# KiCad board TRX055.01.01.PB.00.00.kicad_pcb (continued)
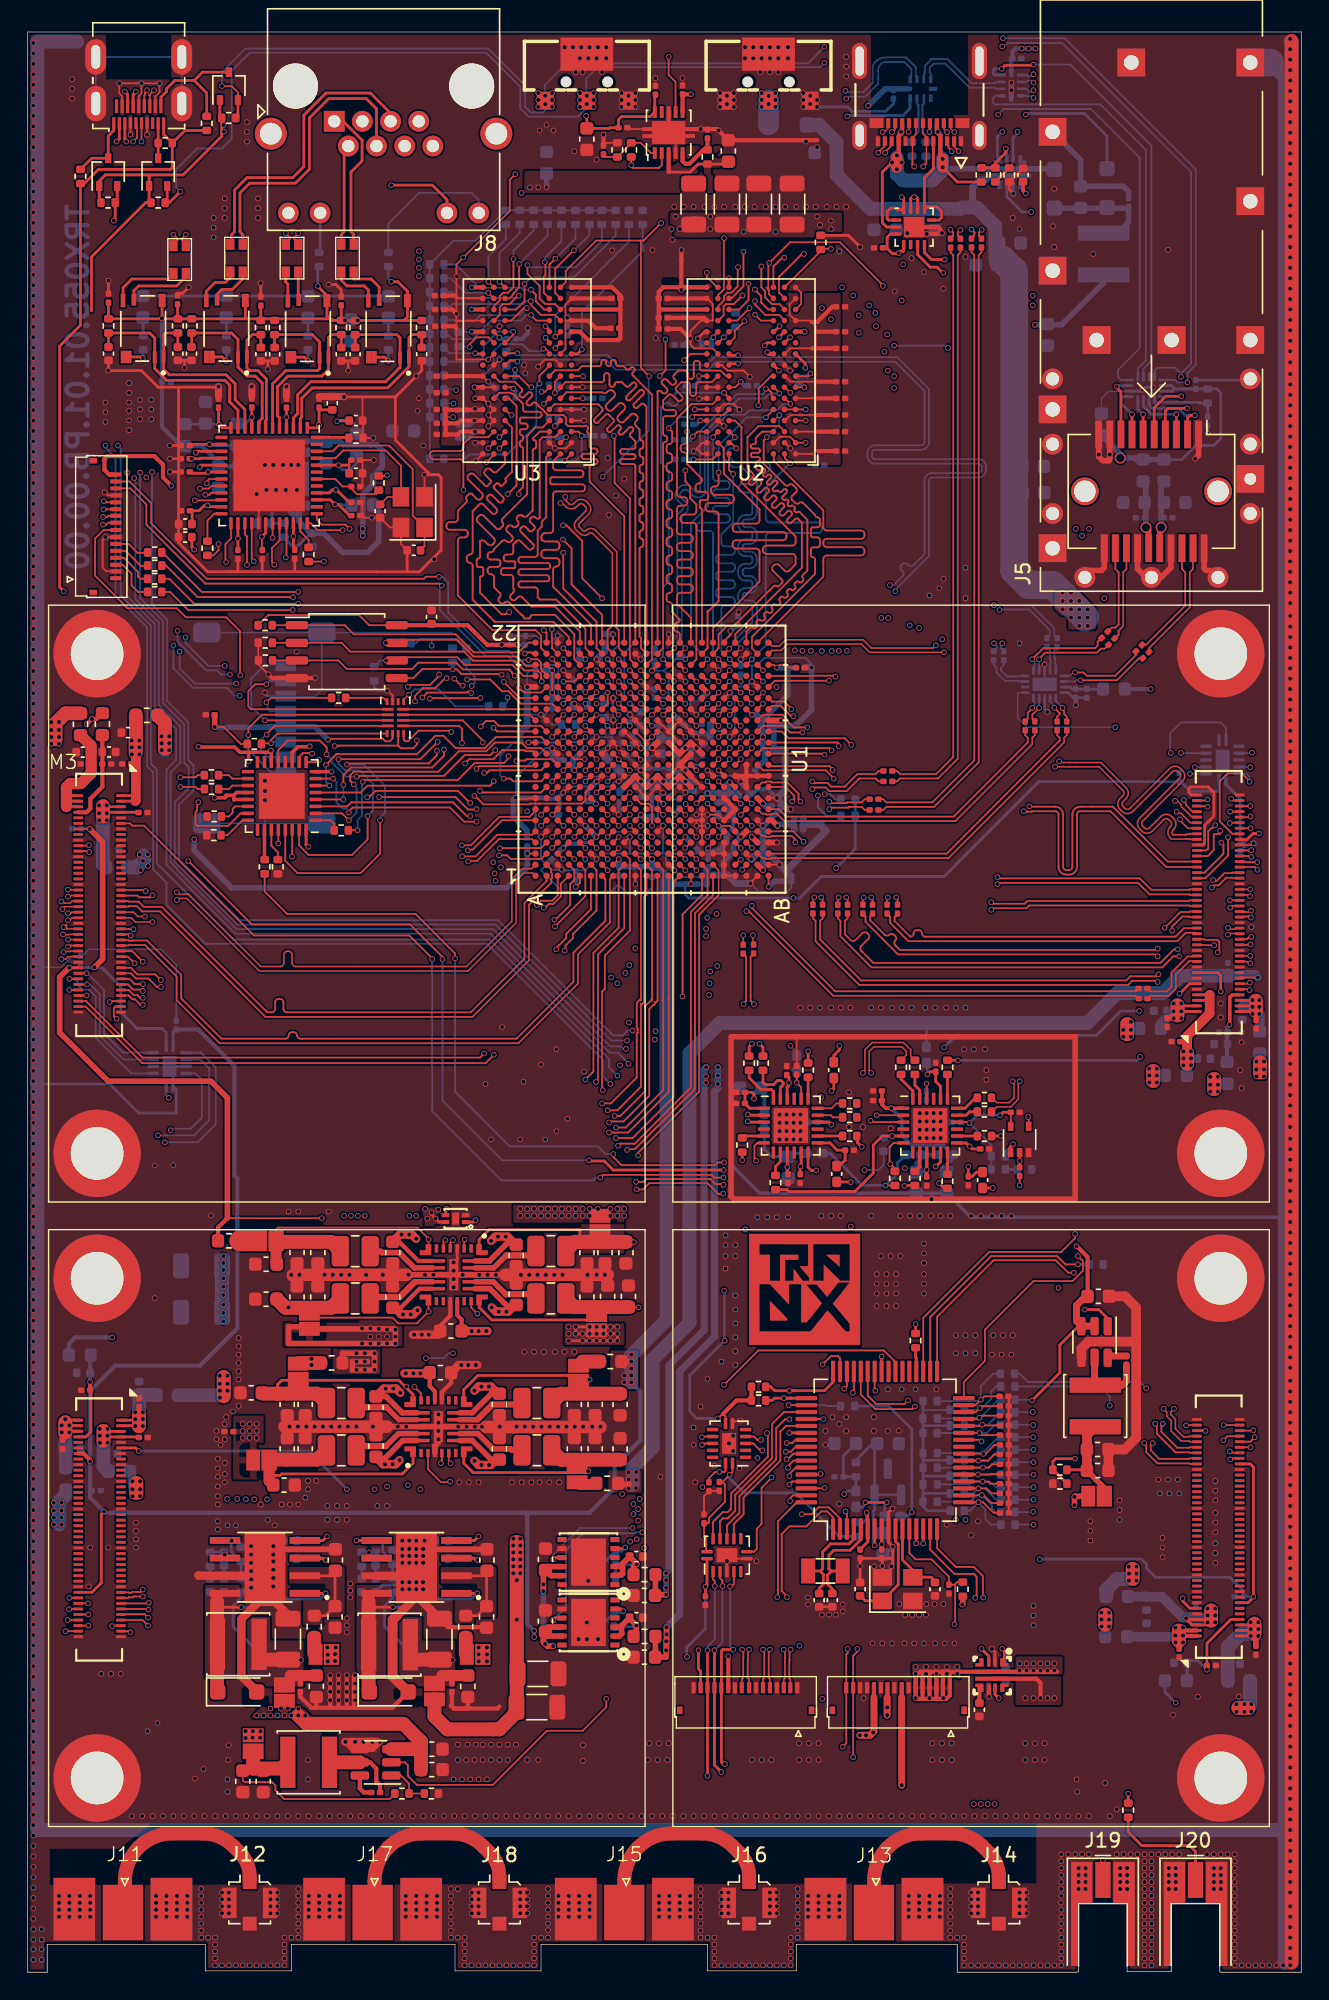
[diagram p0: board, top side]
## Routing (per net, layer and track width the routed paths; a pad name or vN(x,y) marks a point on that pad's centre or on a via; arc(x,y) is an arc through that point) (continued)
/A1_HS_6_N: length 54.7
  Top w0.127: v1(86.68,76.7) 86.8,76.83 M1.40 ; U1.W12 v1(51.4,88.2)
  In2.Cu w0.106: 51.54,88.2 v1(51.4,88.2) 51.4,88.06 51.53,87.93 51.54,87.93 52.43,87.03 58.25,87.03 59.9,85.39 59.9,83.89 60.77,83.01 arc(61.04,82.9) 61.31,83.01 arc(61.36,83.03) 61.41,83.01 61.8,82.63 arc(61.82,82.58) 61.8,82.53 arc(61.68,82.26) 61.8,81.98 62.18,81.6 arc(62.45,81.49) 62.72,81.6 arc(62.77,81.62) 62.82,81.6 63.21,81.21 arc(63.23,81.16) 63.21,81.11 arc(63.1,80.84) 63.21,80.57 63.6,80.19 arc(63.87,80.07) 64.14,80.19 arc(64.19,80.21) 64.24,80.19 64.62,79.8 arc(64.65,79.75) 64.62,79.7 arc(64.51,79.43) 64.62,79.16 65.01,78.77 arc(65.28,78.66) 65.55,78.77 arc(65.6,78.79) 65.65,78.77 66.04,78.39 arc(66.06,78.33) 66.04,78.28 65.61,77.86 arc(65.46,77.48) 65.61,77.1 65.78,76.93 arc(66.16,76.77) 66.54,76.93 66.96,77.36 arc(67.02,77.38) 67.07,77.36 67.45,76.97 arc(67.47,76.92) 67.45,76.87 arc(67.34,76.6) 67.45,76.33 68.13,75.65 73.1,75.65 arc(73.27,75.58) 73.35,75.4 73.35,74.5 arc(73.51,74.11) 73.9,73.95 74.1,73.95 arc(74.48,74.11) 74.65,74.5 74.65,75.4 arc(74.72,75.58) 74.9,75.65 75.1,75.65 arc(75.38,75.77) 75.5,76.05 arc(75.53,76.12) 75.6,76.15 76.1,76.15 arc(76.17,76.12) 76.2,76.05 76.2,74.1 arc(76.36,73.71) 76.75,73.55 76.95,73.55 arc(77.33,73.71) 77.5,74.1 77.5,75.4 arc(77.57,75.58) 77.75,75.65 80.48,75.65 80.48,75.66 81.29,76.47 ; v1(86.68,76.7) 86.56,76.82 86.27,76.82 85.92,76.47 81.29,76.47 ; 81.29,76.47 81.11,76.29
/A1_HS_6_P: length 55.1
  Top w0.106: M1.42 87.35,77.23 v1(86.66,77.23)
  Top w0.127: U1.W13 v1(51.4,89)
  In2.Cu w0.106: 81.16,76.78 80.33,75.95 77.75,75.95 arc(77.36,75.79) 77.2,75.4 77.2,74.1 arc(77.12,73.92) 76.95,73.85 76.75,73.85 arc(76.57,73.92) 76.5,74.1 76.5,76.05 arc(76.38,76.33) 76.1,76.45 75.6,76.45 arc(75.31,76.33) 75.2,76.05 arc(75.17,75.98) 75.1,75.95 74.9,75.95 arc(74.51,75.79) 74.35,75.4 74.35,74.5 arc(74.27,74.32) 74.1,74.25 73.9,74.25 arc(73.72,74.32) 73.65,74.5 73.65,75.4 arc(73.48,75.79) 73.1,75.95 68.27,75.95 67.67,76.55 arc(67.65,76.6) 67.67,76.65 arc(67.78,76.92) 67.67,77.19 67.29,77.58 arc(67.02,77.69) 66.75,77.58 66.32,77.15 arc(66.16,77.08) 66,77.15 65.83,77.32 arc(65.76,77.48) 65.83,77.64 66.26,78.06 arc(66.37,78.33) 66.26,78.6 65.87,78.99 arc(65.6,79.1) 65.33,78.99 arc(65.28,78.97) 65.23,78.99 64.84,79.38 arc(64.82,79.43) 64.84,79.48 arc(64.96,79.75) 64.84,80.02 64.46,80.4 arc(64.19,80.52) 63.92,80.4 arc(63.87,80.38) 63.81,80.4 63.43,80.79 arc(63.41,80.84) 63.43,80.89 arc(63.54,81.16) 63.43,81.43 63.04,81.82 arc(62.77,81.93) 62.5,81.82 arc(62.45,81.8) 62.4,81.82 62.02,82.2 arc(61.99,82.26) 62.02,82.31 arc(62.13,82.58) 62.02,82.85 61.63,83.23 arc(61.36,83.34) 61.09,83.23 arc(61.04,83.21) 60.99,83.23 60.2,84.01 60.2,85.51 58.38,87.34 52.56,87.34 52.08,87.82 52.04,87.82 51.82,88.04 51.82,88.36 51.85,88.39 51.85,88.55 v1(51.4,89) ; 81.16,76.78 85.79,76.78 86.14,77.13 86.56,77.13 v1(86.66,77.23) ; 81.16,76.78 80.89,76.51
/A1_HS_7_N: length 36.4
  Top w0.124: M1.39 83.75,76.83 83.72,76.86 72.19,76.86 71.99,76.66 69.56,76.66 v1(69.45,76.55)
  Top w0.127: v1(57.44,87.72) 57.37,87.8 U1.AB12
  In2.Cu w0.106: v1(57.44,87.72) 57.48,87.68 57.76,87.68 57.79,87.66 58.1,87.66 58.13,87.68 58.64,87.68 60.8,85.53 60.8,84.39 68.51,76.67 69.33,76.67 v1(69.45,76.55)
/A1_HS_7_P: length 37.4
  Top w0.124: v1(69.45,77.1) 69.56,76.99 71.86,76.99 72.06,77.19 83.72,77.19 83.75,77.22 M1.41
  Top w0.127: U1.AA12 53,88.2 57.78,88.2 v1(57.95,88.04)
  In2.Cu w0.106: v1(69.45,77.1) 69.33,76.98 68.64,76.98 61.1,84.51 61.1,85.66 58.77,87.99 58.65,87.99 58.62,87.96 58.31,87.96 58.28,87.99 58.18,87.99 58.14,88.04 v1(57.95,88.04)
/A1_HS_8_N: length 56
  Top w0.124: M1.44 88.02,77.62 v1(88.12,77.53)
  Top w0.127: v1(58.46,88.35) 58.46,88.51 58.37,88.6 53.4,88.6 U1.AB13
  In2.Cu w0.106: 88.06,77.53 v1(88.12,77.53) 88.03,77.62 86.07,77.62 85.8,77.35 80.26,77.35 79.46,76.55 78.88,76.55 arc(78.48,76.71) 78.32,77.1 78.32,78.35 arc(78.25,78.53) 78.08,78.6 77.88,78.6 arc(77.7,78.53) 77.63,78.35 77.63,77.1 arc(77.47,76.71) 77.08,76.55 76.88,76.55 arc(76.48,76.71) 76.32,77.1 76.32,78.35 arc(76.25,78.53) 76.08,78.6 75.88,78.6 arc(75.7,78.53) 75.63,78.35 75.63,77.1 arc(75.47,76.71) 75.08,76.55 71.19,76.55 70.09,77.65 69.16,77.65 68.05,78.76 arc(67.95,78.8) 67.84,78.76 arc(67.52,78.62) 67.2,78.76 66.92,79.04 arc(66.78,79.36) 66.92,79.68 67.36,80.13 arc(67.41,80.25) 67.36,80.37 67.12,80.62 arc(67,80.67) 66.87,80.62 66.43,80.17 arc(66.11,80.04) 65.78,80.17 65.5,80.45 arc(65.37,80.77) 65.5,81.1 65.95,81.54 arc(66,81.67) 65.95,81.79 65.7,82.03 arc(65.58,82.08) 65.46,82.03 65.01,81.59 arc(64.69,81.45) 64.37,81.59 64.09,81.87 arc(63.95,82.19) 64.09,82.51 64.53,82.96 arc(64.58,83.08) 64.53,83.2 64.29,83.45 arc(64.17,83.5) 64.05,83.45 63.6,83 arc(63.28,82.87) 62.95,83 62.67,83.28 arc(62.54,83.6) 62.67,83.93 63.12,84.37 arc(63.17,84.49) 63.12,84.62 62.88,84.86 arc(62.75,84.91) 62.63,84.86 arc(62.29,84.72) 61.95,84.86 61.59,85.22 61.59,85.82 59.36,88.05 59.2,88.05 59.02,88.23 58.58,88.23 v1(58.46,88.35) 58.48,88.37
/A1_HS_8_P: length 56.1
  Top w0.106: v1(88.13,78.03) 88.12,78.03 M1.46 87.36,78.03
  Top w0.127: v1(59.36,88.43) 58.88,88.91 54.84,88.91 54.35,89.4 U1.AB14
  In2.Cu w0.106: 59.36,88.35 v1(59.36,88.43) 59.42,88.43 61.9,85.95 61.9,85.35 62.17,85.08 arc(62.29,85.03) 62.41,85.08 arc(62.75,85.22) 63.09,85.08 63.34,84.83 arc(63.48,84.49) 63.34,84.15 62.89,83.71 arc(62.85,83.6) 62.89,83.5 63.17,83.22 arc(63.28,83.18) 63.38,83.22 63.83,83.66 arc(64.17,83.81) 64.51,83.66 64.75,83.42 arc(64.89,83.08) 64.75,82.74 64.31,82.29 arc(64.26,82.19) 64.31,82.08 64.59,81.81 arc(64.69,81.76) 64.8,81.81 65.24,82.25 arc(65.58,82.39) 65.92,82.25 66.17,82.01 arc(66.31,81.67) 66.17,81.32 65.72,80.88 arc(65.68,80.77) 65.72,80.67 66,80.39 arc(66.11,80.35) 66.21,80.39 66.66,80.84 arc(67,80.98) 67.34,80.84 67.58,80.59 arc(67.72,80.25) 67.58,79.91 67.14,79.46 arc(67.09,79.36) 67.14,79.26 67.42,78.98 arc(67.52,78.93) 67.62,78.98 arc(67.95,79.11) 68.27,78.98 69.29,77.95 70.21,77.95 71.31,76.85 75.08,76.85 arc(75.25,76.93) 75.32,77.1 75.32,78.35 arc(75.48,78.75) 75.88,78.91 76.08,78.91 arc(76.47,78.75) 76.63,78.35 76.63,77.1 arc(76.7,76.93) 76.88,76.85 77.08,76.85 arc(77.25,76.93) 77.32,77.1 77.32,78.35 arc(77.48,78.75) 77.88,78.91 78.08,78.91 arc(78.47,78.75) 78.63,78.35 78.63,77.1 arc(78.7,76.93) 78.88,76.85 79.34,76.85 80.14,77.65 85.67,77.65 85.94,77.93 88.03,77.93 v1(88.13,78.03)
/A1_HS_9_N: length 37.8
  Top w0.124: M1.43 83.75,77.62 83.72,77.66 80.86,77.66 80.03,78.49 69.99,78.49 v1(69.9,78.4)
  Top w0.127: U1.Y12 v1(52.2,88.2)
  In2.Cu w0.106: v1(52.2,88.2) 52.4,88.2 52.53,88.07 56.96,88.07 57.68,88.79 59.69,88.79 68.15,80.34 68.15,80.15 v1(69.9,78.4)
/A1_HS_9_P: length 37.8
  Top w0.124: 69.99,78.82 80.17,78.82 80.99,77.99 83.72,77.99 83.75,78.03 M1.45
  Top w0.127: U1.Y13 v1(52.2,89)
  In2.Cu w0.106: 69.83,78.9 68.45,80.28 68.45,80.47 59.82,89.1 57.55,89.1 56.83,88.38 52.77,88.38 52.2,88.95 v1(52.2,89)
  vias: v1(69.9,78.9)
/A1_HS_10_N: length 52.7
  Top w0.124: M1.50 86.83,78.83 86.8,78.86 86.39,78.86 85.84,78.31 85.51,78.31 v1(85.35,78.15)
  Top w0.127: U1.V15 v1(50.6,89.8)
  In2.Cu w0.106: v1(50.6,89.8) 51.05,89.35 51.25,89.35 51.28,89.38 53.17,89.38 ; v1(85.35,78.15) 84.28,78.15 83.69,78.74 80.77,78.74 80.34,79.17 76.1,79.17 arc(75.73,79.32) 75.57,79.7 arc(75.51,79.85) 75.35,79.92 75.1,79.92 arc(74.95,79.85) 74.88,79.7 74.88,77.67 arc(74.72,77.27) 74.33,77.11 74.13,77.11 arc(73.73,77.27) 73.57,77.67 73.57,79.7 arc(73.51,79.85) 73.35,79.92 73.1,79.92 arc(72.95,79.85) 72.88,79.7 72.88,77.67 arc(72.72,77.27) 72.33,77.11 72.13,77.11 arc(71.73,77.27) 71.57,77.67 71.57,78.92 arc(71.5,79.09) 71.33,79.17 70.27,79.17 60.09,89.34 57.31,89.34 56.59,88.62 53.93,88.62 53.17,89.38 ; 53.17,89.38 53.2,89.35
/A1_HS_10_P: length 51.8
  Top w0.124: v1(85.45,78.7) 85.51,78.64 85.71,78.64 86.26,79.19 86.8,79.19 86.83,79.22 M1.52
  Top w0.127: U1.W15 v1(51.4,89.8)
  In2.Cu w0.106: v1(85.45,78.7) 85.28,78.53 85.19,78.53 85.12,78.46 84.41,78.46 83.82,79.05 80.9,79.05 80.47,79.47 76.1,79.47 arc(75.95,79.54) 75.88,79.7 arc(75.72,80.07) 75.35,80.23 75.1,80.23 arc(74.73,80.07) 74.57,79.7 74.57,77.67 arc(74.5,77.49) 74.33,77.42 74.13,77.42 arc(73.95,77.49) 73.88,77.67 73.88,79.7 arc(73.72,80.07) 73.35,80.23 73.1,80.23 arc(72.73,80.07) 72.57,79.7 72.57,77.67 arc(72.5,77.49) 72.33,77.42 72.13,77.42 arc(71.95,77.49) 71.88,77.67 71.88,78.92 arc(71.72,79.31) 71.33,79.47 70.4,79.47 60.22,89.65 57.18,89.65 56.47,88.93 55.3,88.93 ; 53.31,89.69 54.07,88.93 55.3,88.93 ; 53.31,89.69 53.34,89.66 ; 53.31,89.69 51.51,89.69 v1(51.4,89.8)
/A1_HS_11_N: length 48.7
  Top w0.127: M1.49 84.89,78.83 86.52,80.45 v1(86.52,81.78) ; U1.AA17 v1(53,92.2)
  In2.Cu w0.106: v1(86.52,81.78) 86.51,81.77 85.74,81.77 85.58,81.6 83.56,81.6 83.53,81.64 82.46,81.64 78.49,85.6 74.07,85.6 arc(73.89,85.67) 73.82,85.85 73.82,86.25 arc(73.66,86.64) 73.27,86.8 73.07,86.8 arc(72.67,86.64) 72.51,86.25 72.51,84.94 arc(72.44,84.77) 72.27,84.7 72.07,84.7 arc(71.89,84.77) 71.82,84.94 71.82,86.25 arc(71.66,86.64) 71.27,86.8 71.07,86.8 arc(70.67,86.64) 70.51,86.25 70.51,85.85 arc(70.44,85.67) 70.27,85.6 69.45,85.6 62.35,92.7 57.94,92.7 57.91,92.67 57.59,92.67 57.56,92.7 54.73,92.7 54.01,91.98 53.22,91.98 v1(53,92.2)
/A1_HS_11_P: length 47.2
  Top w0.127: M1.51 84.82,79.22 86.19,80.59 86.19,81.24 v1(86.05,81.39) ; U1.AA16 v1(53,91.4)
  In2.Cu w0.106: v1(86.05,81.39) 85.96,81.3 83.44,81.3 83.41,81.33 82.33,81.33 78.37,85.29 74.07,85.29 arc(73.67,85.45) 73.51,85.85 73.51,86.25 arc(73.44,86.42) 73.27,86.5 73.07,86.5 arc(72.89,86.42) 72.82,86.25 72.82,84.94 arc(72.66,84.55) 72.27,84.39 72.07,84.39 arc(71.67,84.55) 71.51,84.94 71.51,86.25 arc(71.44,86.42) 71.27,86.5 71.07,86.5 arc(70.89,86.42) 70.82,86.25 70.82,85.85 arc(70.66,85.45) 70.27,85.29 69.32,85.29 62.22,92.39 54.86,92.39 54.14,91.67 53.27,91.67 v1(53,91.4)
/A1_HS_12_N: length 48.2
  Top w0.127: M1.54 88.45,79.62 v1(88.64,79.44) ; U1.V16 v1(49.8,90.6)
  In2.Cu w0.106: v1(49.8,90.6) 50.2,90.2 51.5,90.2 51.52,90.18 51.56,90.18 51.78,89.96 51.78,89.93 53.4,89.93 53.43,89.9 53.5,89.9 53.97,89.43 55.18,89.43 56.29,90.54 60.79,90.54 69.79,81.54 71.02,81.54 arc(71.11,81.5) 71.15,81.42 arc(71.27,81.11) 71.58,80.99 72.02,80.99 arc(72.33,81.11) 72.46,81.42 72.46,82.1 arc(72.53,82.27) 72.7,82.35 72.9,82.35 arc(73.07,82.27) 73.15,82.1 73.15,82.1 arc(73.31,81.7) 73.7,81.54 80.06,81.54 81.52,80.08 86.43,80.08 86.95,79.56 88.52,79.56 v1(88.64,79.44)
/A1_HS_12_P: length 47.2
  Top w0.127: v1(88.63,79.98) 87.4,79.98 M1.56 ; U1.W16 v1(50.6,90.6)
  In2.Cu w0.106: v1(88.63,79.98) 88.52,79.87 87.08,79.87 86.56,80.39 81.65,80.39 80.19,81.85 73.7,81.85 arc(73.53,81.92) 73.46,82.1 73.46,82.1 arc(73.29,82.49) 72.9,82.65 72.7,82.65 arc(72.31,82.49) 72.15,82.1 72.15,81.42 arc(72.11,81.33) 72.02,81.3 71.58,81.3 arc(71.49,81.33) 71.46,81.42 arc(71.33,81.72) 71.02,81.85 69.92,81.85 60.92,90.85 56.16,90.85 55.06,89.75 54.15,89.75 53.66,90.24 52.38,90.24 52.36,90.22 52.04,90.22 52.02,90.24 51.92,90.24 51.56,90.6 v1(50.6,90.6)
/A1_HS_13_N: length 47.8
  Top w0.127: M1.53 82.07,79.62 78.05,83.65 75.87,83.65 arc(75.7,83.58) 75.63,83.42 75.63,79.65 arc(75.47,79.25) 75.07,79.08 74.87,79.08 arc(74.47,79.25) 74.3,79.65 74.3,83.42 arc(74.23,83.58) 74.07,83.65 72.4,83.65 72.36,83.61 72.04,83.61 72,83.65 v1(71.8,83.65) ; U1.W17 v1(51.4,91.4)
  In2.Cu w0.106: v1(51.4,91.4) 51.59,91.4 52.03,90.96 52.04,90.98 52.36,90.98 52.38,90.95 52.5,90.95 52.8,90.65 53.95,90.65 55.09,91.79 61.67,91.79 69.77,83.69 71.76,83.69 v1(71.8,83.65)
/A1_HS_13_P: length 46.8
  Top w0.127: M1.55 82.18,80.03 78.22,83.98 75.87,83.98 arc(75.47,83.81) 75.3,83.42 75.3,79.65 arc(75.23,79.48) 75.07,79.42 74.87,79.42 arc(74.7,79.48) 74.63,79.65 74.63,83.42 arc(74.47,83.81) 74.07,83.98 72.22,83.98 v1(72.2,84) ; U1.Y17 v1(52.2,91.4)
  In2.Cu w0.106: v1(72.2,84) 71.99,84 71.96,84.03 71.64,84.03 71.61,84 69.9,84 61.8,92.1 54.96,92.1 53.86,91 52.9,91 52.88,91.02 52.84,91.02 52.62,91.24 52.62,91.28 52.5,91.4 v1(52.2,91.4)
/A1_HS_14_N: length 48.5
  Top w0.127: M1.58 88.12,80.42 v1(88.2,80.35) ; v1(55.2,90.5) 55.02,90.5 54.27,91.25 53.65,91.25 U1.AB16
  In2.Cu w0.106: v1(55.2,90.5) 55.84,91.14 61.15,91.14 69.39,82.9 72.98,82.9 arc(73.37,83.06) 73.53,83.45 73.53,84.51 arc(73.6,84.68) 73.78,84.75 73.98,84.75 arc(74.15,84.68) 74.22,84.51 74.22,82.65 arc(74.38,82.26) 74.78,82.1 74.98,82.1 arc(75.37,82.26) 75.53,82.65 75.53,84.51 arc(75.6,84.68) 75.78,84.75 75.98,84.75 arc(76.15,84.68) 76.22,84.51 76.22,83.45 arc(76.38,83.06) 76.78,82.9 79.63,82.9 81.84,80.7 86.64,80.7 86.89,80.45 88.1,80.45 v1(88.2,80.35)
/A1_HS_14_P: length 48.3
  Top w0.127: M1.60 88.18,80.83 v1(88.2,80.85) ; U1.AB17 53.65,91.55 54.55,91.55 55.04,91.06 v1(55.04,91)
  In2.Cu w0.106: v1(55.04,91) 55.26,91 55.71,91.45 61.28,91.45 69.52,83.21 72.98,83.21 arc(73.15,83.28) 73.22,83.45 73.22,84.51 arc(73.38,84.9) 73.78,85.06 73.98,85.06 arc(74.37,84.9) 74.53,84.51 74.53,82.65 arc(74.6,82.48) 74.78,82.4 74.98,82.4 arc(75.15,82.48) 75.22,82.65 75.22,84.51 arc(75.38,84.9) 75.78,85.06 75.98,85.06 arc(76.37,84.9) 76.53,84.51 76.53,83.45 arc(76.6,83.28) 76.78,83.21 79.76,83.21 81.96,81 86.76,81 87.01,80.75 88.1,80.75 v1(88.2,80.85)
/A1_HS_15_N: length 44
  Top w0.106: v1(66.05,95.1) 60.68,95.1 60.09,95.7 54.76,95.7 54.31,95.24 53.95,95.24
  Top w0.124: U1.AB21 53.64,95.24 53.95,95.24
  Top w0.127: v1(85.95,82.25) 86.05,82.15 86.05,82.15 85.9,82 85.55,82 85.49,81.94 85.49,80.85 85.06,80.42 M1.57
  In2.Cu w0.106: v1(66.05,95.1) 66.12,95.17 68.24,95.17 71.67,91.75 77.12,91.75 83.78,85.08 83.78,82.59 84.37,82 85.9,82 86.05,82.15 86.05,82.15 v1(85.95,82.25) 86.05,82.25 86.07,82.22 86.07,82.2 85.9,82.03
/A1_HS_15_P: length 43
  Top w0.106: 53.95,95.56 54.19,95.56 54.64,96 60.21,96 60.81,95.41 65.26,95.41 v1(65.45,95.6)
  Top w0.124: U1.AB22 53.64,95.56 53.95,95.56
  Top w0.127: M1.59 84.94,80.83 85.07,80.95 85.09,80.95 85.09,82.22 85.33,82.45 85.41,82.45 v1(85.6,82.65)
  In2.Cu w0.106: v1(65.45,95.6) 65.57,95.48 68.37,95.48 71.8,92.05 77.25,92.05 84.09,85.21 84.09,82.76 84.53,82.31 85.47,82.31 85.6,82.44 v1(85.6,82.65) 85.6,82.48 85.6,82.47
/A1_HS_16_N: length 47.5
  Top w0.106: v1(74.35,87.25) 74.44,87.16 77.36,87.16 79.17,85.35 arc(79.33,84.96) 79.17,84.56 78.95,84.35 arc(78.88,84.18) 78.95,84 79.1,83.86 arc(79.27,83.79) 79.44,83.86 82.31,86.73 arc(82.71,86.89) 83.1,86.73 83.24,86.59 arc(83.4,86.2) 83.24,85.81 80.37,82.93 arc(80.3,82.76) 80.37,82.59 80.51,82.45 arc(80.68,82.37) 80.86,82.45 81.68,83.27 arc(82.07,83.43) 82.46,83.27 82.6,83.12 arc(82.77,82.73) 82.6,82.34 82.56,82.3 arc(82.49,82.13) 82.56,81.95 83.5,81.95
  Top w0.124: 83.5,81.95 83.53,81.99 83.72,81.99 83.75,82.03 M1.65
  Top w0.127: U1.AB19 56.6,93.4 56.62,93.42 58.15,93.42 v1(58.22,93.35)
  In2.Cu w0.106: 58.3,93.4 62.95,93.4 69,87.35 74.17,87.35 74.27,87.25 v1(74.35,87.25)
/A1_HS_16_P: length 47.9
  Top w0.106: 83.5,81.65 82.44,81.65 82.35,81.74 arc(82.18,82.13) 82.35,82.52 82.38,82.56 arc(82.46,82.73) 82.38,82.91 82.24,83.05 arc(82.07,83.12) 81.9,83.05 81.08,82.23 arc(80.68,82.06) 80.29,82.23 80.15,82.37 arc(79.99,82.76) 80.15,83.15 83.02,86.02 arc(83.09,86.2) 83.02,86.37 82.88,86.51 arc(82.71,86.58) 82.53,86.51 79.66,83.64 arc(79.27,83.48) 78.88,83.64 78.74,83.78 arc(78.57,84.18) 78.74,84.57 78.95,84.78 arc(79.02,84.96) 78.95,85.13 77.24,86.84 77.19,86.84 77.18,86.85 v1(74.05,86.85)
  Top w0.124: M1.63 83.75,81.62 83.72,81.66 83.65,81.66 83.63,81.65 83.5,81.65
  Top w0.127: v1(57.75,93.05) 57.75,93.05 53.85,93.05 U1.AB18
  In2.Cu w0.106: v1(74.05,86.85) 74.05,87.03 74.04,87.04 68.87,87.04 62.82,93.1 58.6,93.1 58.5,93 58.41,93 58.38,92.97 58.06,92.97 58.03,93 58,93 57.95,93.05 v1(57.75,93.05)
/A1_HS_17_N: length 48.6
  Top w0.106: M1.69 83.8,82.83 83.1,83.52 82.91,83.52 v1(82.82,83.61)
  Top w0.127: U1.AA20 v1(53,93.8)
  In2.Cu w0.106: v1(53,93.8) 53.19,93.61 56.57,93.61 56.61,93.65 56.65,93.65 56.85,93.85 56.85,93.89 57.01,94.05 63.87,94.05 64.15,93.77 arc(64.27,93.47) 64.15,93.16 arc(64.11,93.07) 64.15,92.99 64.46,92.67 arc(64.55,92.64) 64.64,92.67 65.54,93.58 arc(65.94,93.74) 66.33,93.58 66.47,93.44 arc(66.63,93.04) 66.47,92.65 65.56,91.75 arc(65.53,91.66) 65.56,91.57 65.88,91.26 arc(65.96,91.22) 66.05,91.26 66.96,92.16 arc(67.35,92.33) 67.74,92.16 67.88,92.02 arc(68.05,91.63) 67.88,91.24 66.98,90.33 arc(66.94,90.24) 66.98,90.16 67.29,89.84 arc(67.38,89.81) 67.46,89.84 arc(67.77,89.97) 68.08,89.84 69.21,88.7 arc(69.61,88.54) 69.77,88.15 69.77,88.15 arc(69.84,87.97) 70.01,87.9 70.21,87.9 arc(70.39,87.97) 70.46,88.15 70.46,89.5 arc(70.62,89.9) 71.01,90.06 71.21,90.06 arc(71.61,89.9) 71.77,89.5 71.77,88.15 arc(71.84,87.97) 72.01,87.9 72.21,87.9 arc(72.39,87.97) 72.46,88.15 72.46,88.15 arc(72.62,88.54) 73.01,88.7 77.2,88.7 82.29,83.61 v1(82.82,83.61)
/A1_HS_17_P: length 48.8
  Top w0.106: v1(83.07,83.06) 83.07,82.98 83.62,82.42 M1.67
  Top w0.127: U1.AA19 v1(53,93)
  In2.Cu w0.106: v1(83.07,83.06) 82.99,83.13 82.33,83.13 77.07,88.4 73.01,88.4 arc(72.84,88.32) 72.77,88.15 72.77,88.15 arc(72.61,87.75) 72.21,87.59 72.01,87.59 arc(71.62,87.75) 71.46,88.15 71.46,89.5 arc(71.39,89.68) 71.21,89.75 71.01,89.75 arc(70.84,89.68) 70.77,89.5 70.77,88.15 arc(70.61,87.75) 70.21,87.59 70.01,87.59 arc(69.62,87.75) 69.46,88.15 69.46,88.15 arc(69.39,88.32) 69.21,88.4 69.09,88.4 67.86,89.62 arc(67.77,89.66) 67.68,89.62 arc(67.38,89.5) 67.07,89.62 66.76,89.94 arc(66.63,90.24) 66.76,90.55 67.66,91.46 arc(67.74,91.63) 67.66,91.8 67.52,91.95 arc(67.35,92.02) 67.18,91.95 66.27,91.04 arc(65.96,90.91) 65.66,91.04 65.34,91.35 arc(65.22,91.66) 65.34,91.96 66.25,92.87 arc(66.32,93.04) 66.25,93.22 66.11,93.36 arc(65.94,93.43) 65.76,93.36 64.85,92.45 arc(64.55,92.33) 64.24,92.45 63.93,92.77 arc(63.8,93.07) 63.93,93.38 arc(63.96,93.47) 63.93,93.55 63.74,93.74 57.14,93.74 56.7,93.3 53.3,93.3 v1(53,93)
/A1_HS_18_N: length 51.9
  Top w0.106: M1.73 84.23,83.58 84.01,83.58 83.48,84.11 83.48,84.22 83.34,84.36 v1(83.34,84.47)
  Top w0.124: M1.73 84.03,83.62 84,83.59
  Top w0.127: U1.V19 v1(50.6,93.8)
  In2.Cu w0.106: v1(50.6,93.8) 50.6,93.8 51.99,93.8 52.99,94.8 65.8,94.8 66.37,94.23 arc(66.54,94.16) 66.72,94.23 67.29,94.8 arc(67.68,94.96) 68.07,94.8 68.21,94.66 arc(68.37,94.27) 68.21,93.87 67.64,93.3 arc(67.57,93.13) 67.64,92.96 67.78,92.82 arc(67.96,92.74) 68.13,92.82 68.81,93.49 arc(69.2,93.65) 69.59,93.49 69.73,93.35 arc(69.89,92.96) 69.73,92.57 68.56,91.39 arc(68.52,91.29) 68.56,91.18 68.84,90.91 arc(68.94,90.86) 69.05,90.91 arc(69.37,91.04) 69.69,90.91 70.24,90.36 arc(70.41,90.43) 70.49,90.6 70.49,91.11 arc(70.65,91.5) 71.04,91.66 71.24,91.66 arc(71.63,91.5) 71.8,91.11 71.8,90.6 arc(71.87,90.43) 72.04,90.36 74.64,90.36 arc(75.03,90.2) 75.2,89.8 75.2,89.5 arc(75.27,89.33) 75.44,89.25 75.64,89.25 arc(75.81,89.33) 75.89,89.5 75.89,89.8 arc(76.05,90.2) 76.44,90.36 77.61,90.36 77.7,90.27 arc(77.86,89.88) 77.7,89.48 77.63,89.41 arc(77.55,89.24) 77.63,89.06 77.77,88.92 arc(77.94,88.85) 78.11,88.92 78.19,89 arc(78.58,89.16) 78.97,89 79.11,88.85 arc(79.28,88.46) 79.11,88.07 79.04,88 arc(78.97,87.82) 79.04,87.65 79.18,87.51 arc(79.35,87.44) 79.53,87.51 79.6,87.58 arc(79.99,87.74) 80.39,87.58 83.21,84.76 83.21,84.6 v1(83.34,84.47)
/A1_HS_18_P: length 53.1
  Top w0.106: M1.71 84.23,83.27 83.87,83.27 83.15,83.99 83.15,84.11 82.86,84.4 v1(82.7,84.4)
  Top w0.124: 84,83.26 84.03,83.22 M1.71
  Top w0.127: U1.U19 v1(49.8,93)
  In2.Cu w0.106: v1(49.8,93) 50,93.2 50.3,93.2 50.45,93.35 51.16,93.35 51.3,93.5 52.11,93.5 53.11,94.5 65.67,94.5 66.15,94.01 arc(66.54,93.85) 66.94,94.01 67.5,94.58 arc(67.68,94.65) 67.85,94.58 67.99,94.44 arc(68.06,94.27) 67.99,94.09 67.42,93.52 arc(67.26,93.13) 67.42,92.74 67.56,92.6 arc(67.96,92.43) 68.35,92.6 69.02,93.27 arc(69.2,93.34) 69.37,93.27 69.51,93.13 arc(69.58,92.96) 69.51,92.78 68.34,91.61 arc(68.21,91.29) 68.34,90.97 68.62,90.69 arc(68.94,90.55) 69.27,90.69 arc(69.37,90.73) 69.48,90.69 70.11,90.05 70.24,90.05 arc(70.63,90.21) 70.8,90.6 70.8,91.11 arc(70.87,91.28) 71.04,91.35 71.24,91.35 arc(71.41,91.28) 71.49,91.11 71.49,90.6 arc(71.65,90.21) 72.04,90.05 74.64,90.05 arc(74.81,89.98) 74.89,89.8 74.89,89.5 arc(75.05,89.11) 75.44,88.95 75.64,88.95 arc(76.03,89.11) 76.2,89.5 76.2,89.8 arc(76.27,89.98) 76.44,90.05 77.48,90.05 arc(77.55,89.88) 77.48,89.7 77.41,89.63 arc(77.24,89.24) 77.41,88.84 77.55,88.7 arc(77.94,88.54) 78.33,88.7 78.41,88.78 arc(78.58,88.85) 78.75,88.78 78.9,88.64 arc(78.97,88.46) 78.9,88.29 78.82,88.21 arc(78.66,87.82) 78.82,87.43 78.96,87.29 arc(79.35,87.13) 79.75,87.29 79.82,87.36 arc(79.99,87.43) 80.17,87.36 82.9,84.63 82.9,84.6 v1(82.7,84.4)
/A1_LS_GPIO_0: length 51.7
  Top w0.127: U1.U12 v1(49.8,88.2) ; M1.72 88.1,83.22 v1(88.15,83.28)
  In2.Cu w0.127: v1(88.15,83.28) 88.1,83.22 86.1,83.22 85.5,83.83 85.5,87.25 84.5,88.25 82.55,88.25 82.45,88.35 82.44,88.34 81.1,89.69 80.67,89.69 73.92,96.44 65.72,96.44 64.82,95.54 59.38,95.53 v1(59.05,95.21)
  In4.Cu w0.127: 59.03,95.08 59.03,93.15 54.44,88.56 50.16,88.56 v1(49.8,88.2)
/A1_LS_GPIO_1: length 50
  Top w0.127: M1.74 v1(86.68,83.62) ; 49.8,88.99 49.8,89 U1.V14
  In2.Cu w0.127: v1(58.46,95.2) 58.46,95.46 58.79,95.79 64.71,95.79 65.62,96.69 74.03,96.69 80.78,89.95 81.2,89.95 82.55,88.6 84.6,88.6 85.88,87.33 85.88,84.03 86.28,83.62 v1(86.68,83.62)
  In4.Cu w0.127: 58.44,95.21 58.44,94.39 56.03,91.98 56.03,90.74 54.71,89.42 50.21,89.42 v1(49.8,89.01)
/A1_LS_GPIO_2: length 51.8
  Top w0.127: U1.T16 48.99,91.39 ; M1.76 v1(88.12,84.03)
  In2.Cu w0.127: v1(88.12,84.03) 88.05,84.1 86.38,84.1 86.22,84.25 86.22,87.61 83.64,90.2 80.88,90.2 74.14,96.95 65.51,96.95 64.61,96.05 58.46,96.05 57.95,95.54 v1(57.95,95.19)
  In4.Cu w0.127: 57.98,95.12 57.98,94.46 53.71,90.19 50.49,90.19 50.2,90.48 50.2,90.72 49.91,91.01 49.39,91.01 v1(49,91.4)
/A1_LS_GPIO_3: length 48.3
  Top w0.127: M1.78 86.88,84.42 v1(86.75,84.55) ; U1.U16 v1(49.8,91.4)
  In2.Cu w0.127: v1(86.75,84.55) 86.65,84.65 86.65,87.55 83.74,90.46 80.99,90.46 74.24,97.21 65.41,97.21 64.5,96.3 58.35,96.3 v1(57.24,95.19)
  In4.Cu w0.127: v1(49.8,91.4) 50.07,91.4 50.45,91.02 53.87,91.02 54.68,91.83 54.85,91.83 57.25,94.23 57.25,95.11
/A1_SPI_EN: length 52.6
  Top w0.2: U1.M8 45.8,84.2
  In2.Cu w0.127: v1(82.4,87.85) 82.35,87.9 82.25,87.9 80.71,89.44 80.57,89.44 73.82,96.19 66,96.19 65.92,96.11 v1(65.92,96.05)
  In4.Cu w0.127: v1(45.83,84.17) 46.75,84.17 47.21,84.64 47.55,84.64 47.72,84.8 48.15,84.8 48.75,85.4 49.15,85.4 49.44,85.69 49.44,85.95 49.71,86.22 54.38,86.22 64.21,96.06 65.91,96.06 v1(65.92,96.05)
  Bottom w0.127: 82.35,87.88 82.35,89.28 83.12,90.05 86,90.05 86.38,89.67 U19.8
/A2_HS_16_N: length 72.1
  Top w0.124: v1(81.1,38.12) 80.95,37.98 80.95,37.61 81.57,36.99 83.72,36.99 83.75,37.03 M2.65
  Top w0.127: U1.R3 v1(48.2,80.2)
  In2.Cu w0.106: v1(81.1,38.12) 80.94,38.28 80.94,38.56 78.95,40.55 78.95,62.32 69.1,72.18 51.34,72.18 49.46,74.05 48.74,74.05 48.08,74.71 48.08,76.24 49.08,77.24 49.08,79.32 v1(48.2,80.2)
/A2_HS_16_P: length 71.9
  Top w0.124: M2.63 83.75,36.62 83.72,36.66 81.43,36.66 80.62,37.47 80.62,37.98 v1(80.47,38.12)
  Top w0.127: U1.R2 v1(48.2,79.4)
  In2.Cu w0.106: v1(80.47,38.12) 80.63,38.28 80.63,38.41 78.65,40.4 78.65,62.19 68.97,71.87 51.21,71.87 49.34,73.75 48.61,73.75 47.77,74.59 47.77,76.36 48.77,77.36 48.77,79.19 48.56,79.4 v1(48.2,79.4)
/A2_HS_17_N: length 82.3
  Top w0.124: v1(81.82,39.53) 81.71,39.41 81.71,38.94 82.87,37.79 83.72,37.79 83.75,37.82 M2.69
  Top w0.127: U1.R5 v1(48.2,81.8)
  In2.Cu w0.106: 77.46,65.23 79.58,63.11 ; 79.58,63.11 79.58,63.11 79.88,62.82 79.88,57.89 arc(79.95,57.71) 80.14,57.63 81.03,57.63 arc(81.41,57.47) 81.57,57.09 81.57,56.89 arc(81.41,56.51) 81.03,56.35 79.54,56.35 arc(79.5,56.33) 79.49,56.29 79.49,55.69 arc(79.5,55.65) 79.54,55.63 81.03,55.63 arc(81.41,55.47) 81.57,55.09 81.57,54.89 arc(81.41,54.51) 81.03,54.35 79.54,54.35 arc(79.5,54.33) 79.49,54.29 79.49,53.69 arc(79.5,53.65) 79.54,53.63 arc(79.78,53.53) 79.88,53.29 79.88,43.62 79.9,43.59 79.9,41.69 81.7,39.89 81.7,39.65 v1(81.82,39.53) ; 79.58,63.11 69.79,72.9 51.79,72.9 49.66,75.03 ; 50.28,74.41 49.66,75.03 ; 49.66,75.03 49.63,75.07 49.01,75.07 v1(48.9,75.17)
  In4.Cu w0.106: v1(48.2,81.8) 48.2,80.78 48.55,80.42 48.55,76.3 48.5,76.25 48.5,75.58 v1(48.9,75.17)
/A2_HS_17_P: length 82.6
  Top w0.124: M2.67 83.75,37.43 83.72,37.46 82.73,37.46 81.39,38.81 81.39,39.41 v1(81.28,39.53)
  Top w0.127: U1.R4 47.4,81
  In2.Cu w0.106: 50.07,74.19 49.53,74.72 ; 49.53,74.72 51.66,72.6 69.66,72.6 79.36,62.9 ; 49.53,74.72 49.5,74.76 49.01,74.76 v1(48.9,74.65) ; 79.36,62.9 79.36,62.89 79.6,62.66 79.6,57.89 arc(79.75,57.51) 80.14,57.35 81.03,57.35 arc(81.21,57.27) 81.29,57.09 81.29,56.89 arc(81.21,56.71) 81.03,56.63 79.54,56.63 arc(79.3,56.53) 79.2,56.29 79.2,55.69 arc(79.3,55.45) 79.54,55.35 81.03,55.35 arc(81.21,55.27) 81.29,55.09 81.29,54.89 arc(81.21,54.71) 81.03,54.63 79.54,54.63 arc(79.3,54.53) 79.2,54.29 79.2,53.69 arc(79.3,53.45) 79.54,53.35 arc(79.58,53.33) 79.6,53.29 79.6,41.56 81.4,39.76 81.4,39.65 v1(81.28,39.53) ; 79.36,62.9 77.24,65.01
  In4.Cu w0.106: v1(47.38,81) 46.96,80.59 46.96,76.59 v1(48.9,74.65)
